# Altium PCB Board.PcbDoc (part 1 of 7) (continued)
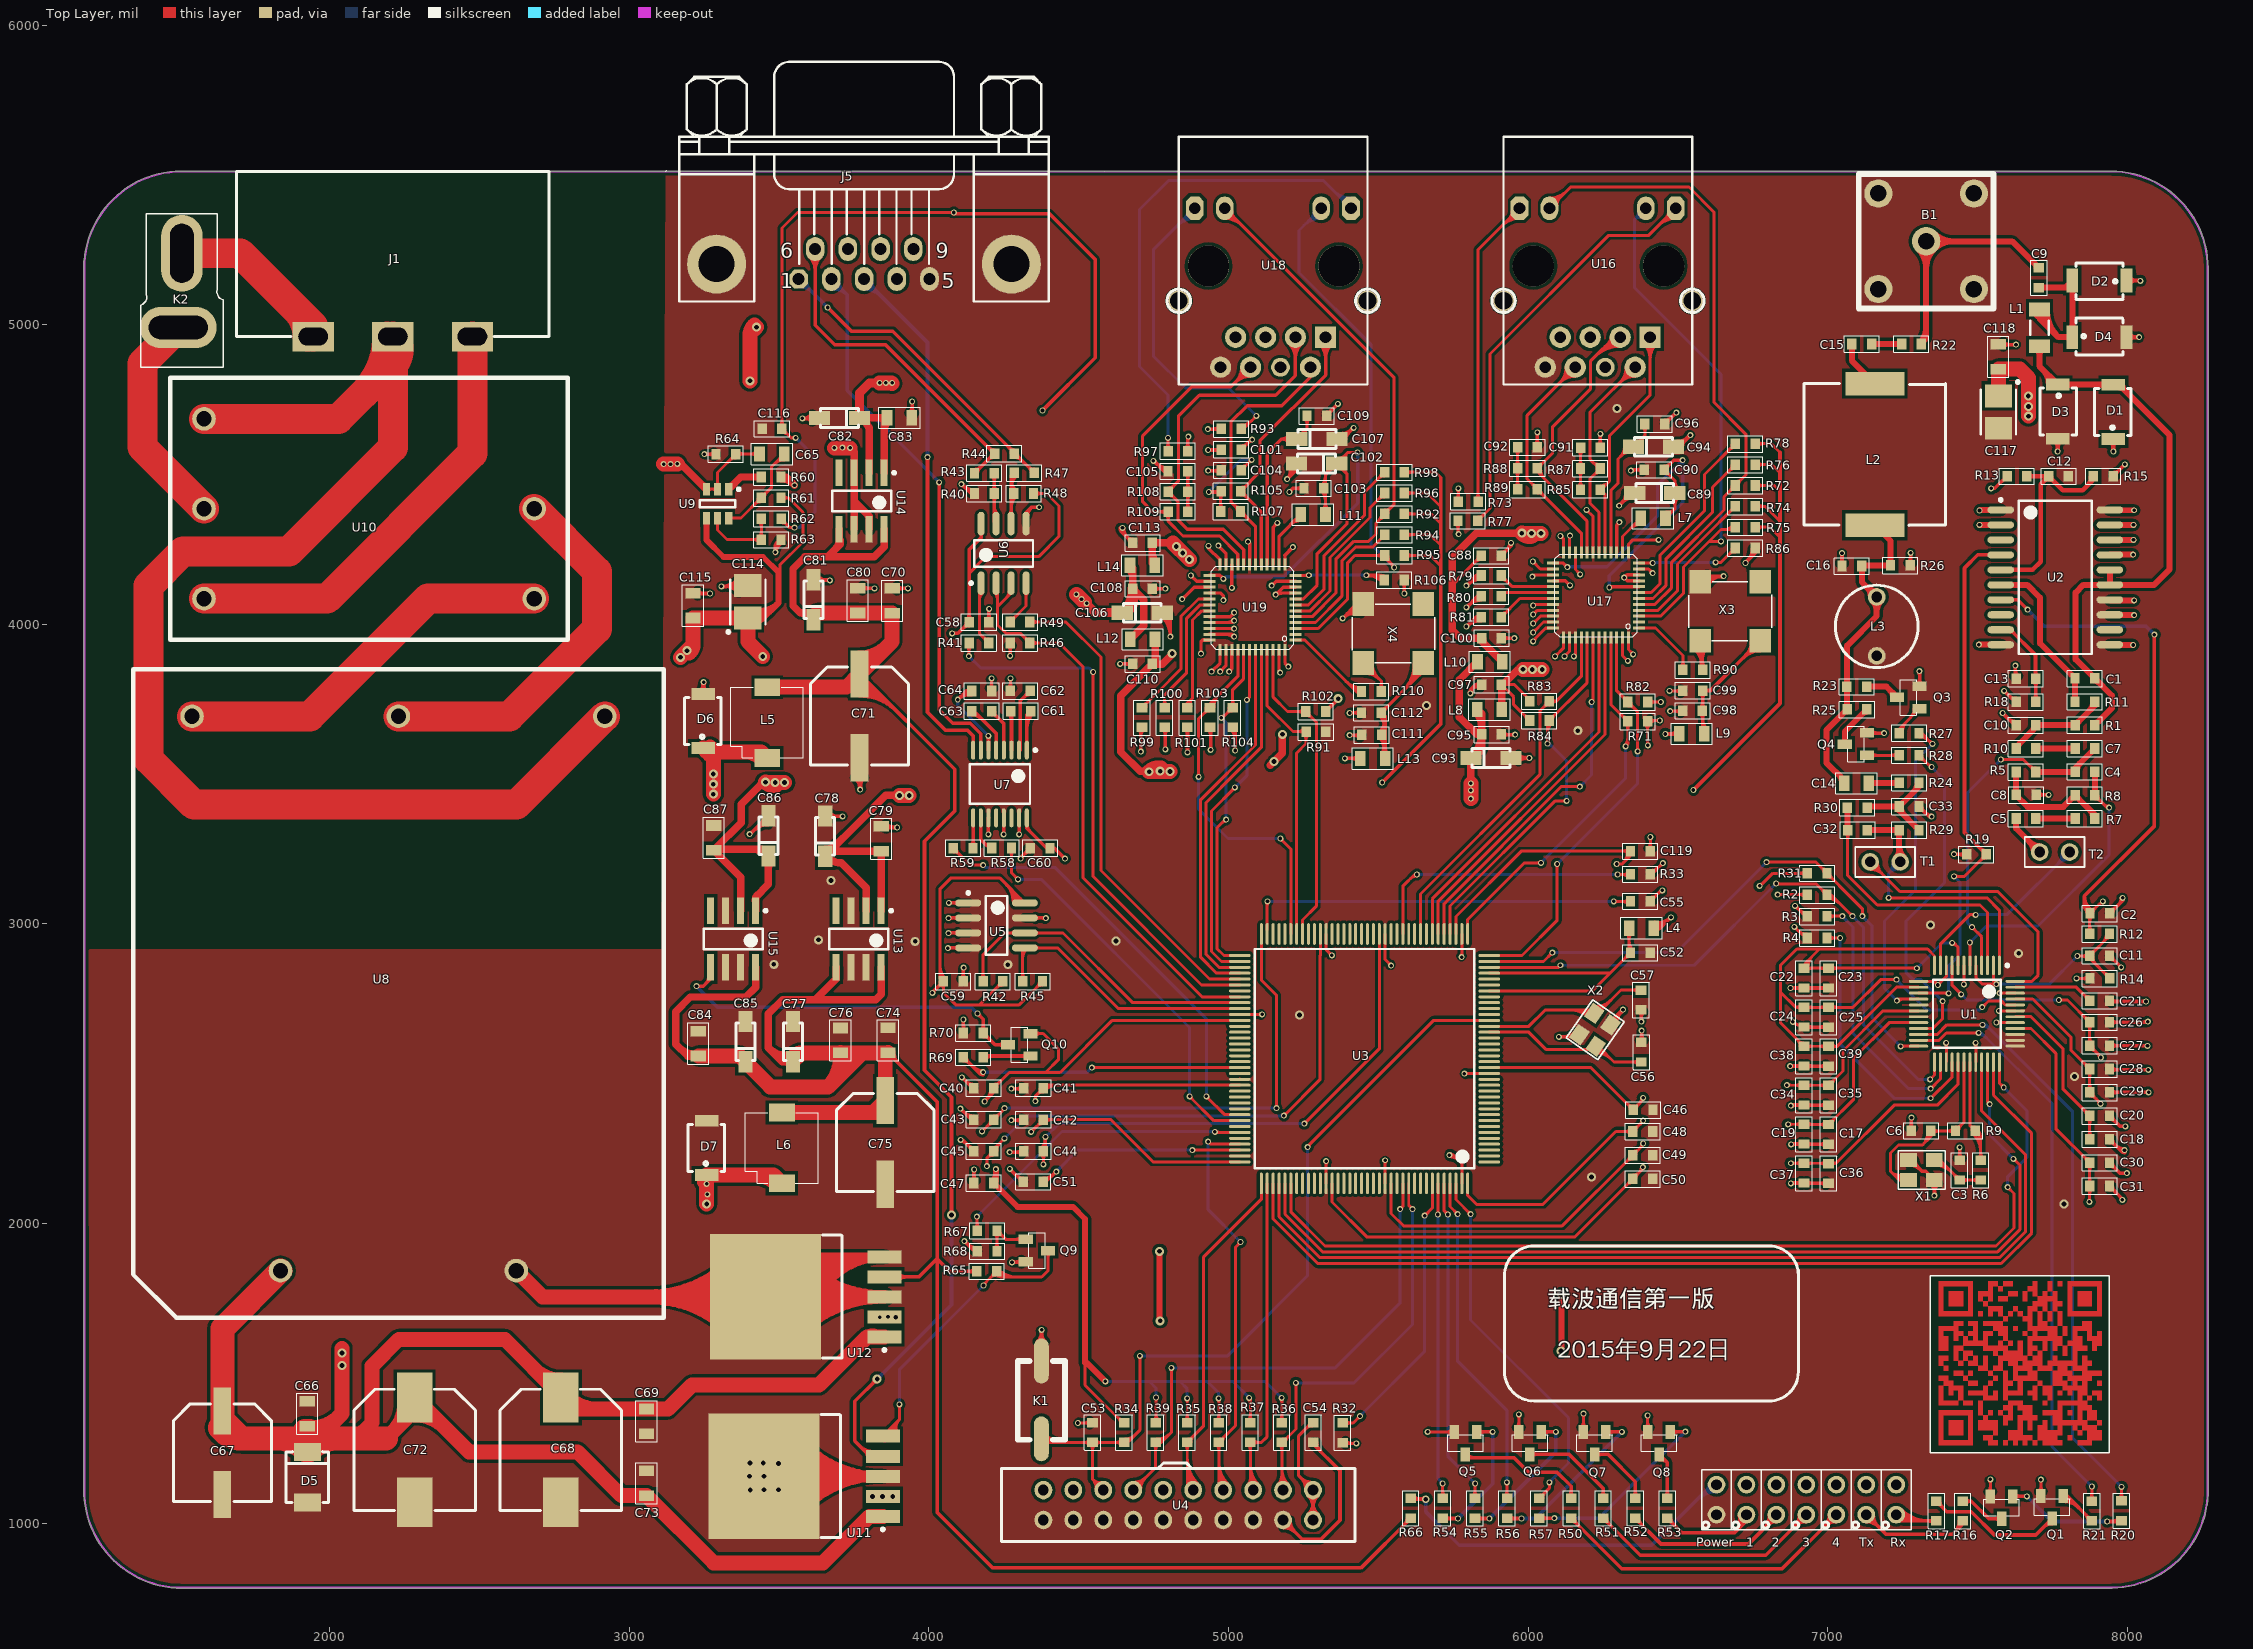
[diagram p0: Top Layer view]
## Footprints (in the part's own frame and the unit in brackets; to place one, negate y for a bottom-side part, rotate by r counter-clockwise, add the part's x,y. Pads: shape width x height; smd on the part's side, far side on the other; paste and mask are expansions set on the pad) (continued)
  round 1.8 hole 1: 2(-5.63,4.84) 3(-3.09,6.11) 5(-3.09,8.65) 6(-5.63,9.92) 7(-3.09,11.19) 8(-5.63,12.46)
  round 1.6 hole 1: 4(-5.63,7.38)
  oct 2x1.5 hole 0.991: 9(7.85,1.395) 12(7.85,14.645)
  oval 2x1.5 hole 0.991: 10(7.85,3.935) 11(7.85,12.105)
  round 1.8 hole 1.5: 13(0,16) 14(0,0)
  silkscreen extent -7.1,-1 13.9,17
"SLF6025   电感" [mm]
  rect 2.2x1.5 smd: 1(0,0) 2(0,-6)
  silkscreen extent -3.07,-6 3.09,0
SM2200 [mm]
  oval 1.65x0.25 smd: 1(-4.1,2.75) 2(-4.1,2.25) 3(-4.1,1.75) 4(-4.1,1.25) 5(-4.1,0.75) 6(-4.1,0.25) 7(-4.1,-0.25) 8(-4.1,-0.75) 9(-4.1,-1.25) 10(-4.1,-1.75) 11(-4.1,-2.25) 12(-4.1,-2.75) 25(4.1,-2.75) 26(4.1,-2.25) 27(4.1,-1.75) 28(4.1,-1.25) 29(4.1,-0.75) 30(4.1,-0.25) 31(4.1,0.25) 32(4.1,0.75) 33(4.1,1.25) 34(4.1,1.75) 35(4.1,2.25) 36(4.1,2.75)
  oval 0.25x1.65 smd: 13(-2.75,-4.1) 14(-2.25,-4.1) 15(-1.75,-4.1) 16(-1.25,-4.1) 17(-0.75,-4.1) 18(-0.25,-4.1) 19(0.25,-4.1) 20(0.75,-4.1) 21(1.25,-4.1) 22(1.75,-4.1) 23(2.25,-4.1) 24(2.75,-4.1) 37(2.75,4.1) 38(2.25,4.1) 39(1.75,4.1) 40(1.25,4.1) 41(0.75,4.1) 42(0.25,4.1) 43(-0.25,4.1) 44(-0.75,4.1) 45(-1.25,4.1) 46(-1.75,4.1) 47(-2.25,4.1) 48(-2.75,4.1)
  silkscreen extent -4.22,-2.88 2.88,3.55, body extent -3.5,-3.5 3.5,3.5, height 1.6
SMBJ20A [mm]
  rect 1.52x2.3 smd: 1(0,0) 2(4.27,0)
  silkscreen extent -0.02,-1.8 4.29,1.8
"Stm32f407ZET6 - duplicate" [mm] "TSQFP, 144-Leads, Body 22.2x22.2mm (max), Pitch 0.50mm, IPC Medium Density"
  oval 1.83x0.254 smd: 1(-10.575,8.75) 2(-10.575,8.25) 3(-10.575,7.75) 4(-10.575,7.25) 5(-10.575,6.75) 6(-10.575,6.25) 7(-10.575,5.75) 8(-10.575,5.25) 9(-10.575,4.75) 10(-10.575,4.25) 11(-10.575,3.75) 12(-10.575,3.25) 13(-10.575,2.75) 14(-10.575,2.25) 15(-10.575,1.75) 16(-10.575,1.25) 17(-10.575,0.75) 18(-10.575,0.25) 19(-10.575,-0.25) 20(-10.575,-0.75) 21(-10.575,-1.25) 22(-10.575,-1.75) 23(-10.575,-2.25) 24(-10.575,-2.75) 25(-10.575,-3.25) 26(-10.575,-3.75) 27(-10.575,-4.25) 28(-10.575,-4.75) 29(-10.575,-5.25) 30(-10.575,-5.75) 31(-10.575,-6.25) 32(-10.575,-6.75) 33(-10.575,-7.25) 34(-10.575,-7.75) 35(-10.575,-8.25) 36(-10.575,-8.75) 73(10.575,-8.75) 74(10.575,-8.25) 75(10.575,-7.75) 76(10.575,-7.25) 77(10.575,-6.75) 78(10.575,-6.25) 79(10.575,-5.75) 80(10.575,-5.25) 81(10.575,-4.75) 82(10.575,-4.25) 83(10.575,-3.75) 84(10.575,-3.25) 85(10.575,-2.75) 86(10.575,-2.25) 87(10.575,-1.75) 88(10.575,-1.25) 89(10.575,-0.75) 90(10.575,-0.25) 91(10.575,0.25) 92(10.575,0.75) 93(10.575,1.25) 94(10.575,1.75) 95(10.575,2.25) 96(10.575,2.75) 97(10.575,3.25) 98(10.575,3.75) 99(10.575,4.25) 100(10.575,4.75) 101(10.575,5.25) 102(10.575,5.75) 103(10.575,6.25) 104(10.575,6.75) 105(10.575,7.25) 106(10.575,7.75) 107(10.575,8.25) 108(10.575,8.75)
  oval 0.254x1.83 smd: 37(-8.75,-10.575) 38(-8.25,-10.575) 39(-7.75,-10.575) 40(-7.25,-10.575) 41(-6.75,-10.575) 42(-6.25,-10.575) 43(-5.75,-10.575) 44(-5.25,-10.575) 45(-4.75,-10.575) 46(-4.25,-10.575) 47(-3.75,-10.575) 48(-3.25,-10.575) 49(-2.75,-10.575) 50(-2.25,-10.575) 51(-1.75,-10.575) 52(-1.25,-10.575) 53(-0.75,-10.575) 54(-0.25,-10.575) 55(0.25,-10.575) 56(0.75,-10.575) 57(1.25,-10.575) 58(1.75,-10.575) 59(2.25,-10.575) 60(2.75,-10.575) 61(3.25,-10.575) 62(3.75,-10.575) 63(4.25,-10.575) 64(4.75,-10.575) 65(5.25,-10.575) 66(5.75,-10.575) 67(6.25,-10.575) 68(6.75,-10.575) 69(7.25,-10.575) 70(7.75,-10.575) 71(8.25,-10.575) 72(8.75,-10.575) 109(8.75,10.575) 110(8.25,10.575) 111(7.75,10.575) 112(7.25,10.575) 113(6.75,10.575) 114(6.25,10.575) 115(5.75,10.575) 116(5.25,10.575) 117(4.75,10.575) 118(4.25,10.575) 119(3.75,10.575) 120(3.25,10.575) 121(2.75,10.575) 122(2.25,10.575) 123(1.75,10.575) 124(1.25,10.575) 125(0.75,10.575) 126(0.25,10.575) 127(-0.25,10.575) 128(-0.75,10.575) 129(-1.25,10.575) 130(-1.75,10.575) 131(-2.25,10.575) 132(-2.75,10.575) 133(-3.25,10.575) 134(-3.75,10.575) 135(-4.25,10.575) 136(-4.75,10.575) 137(-5.25,10.575) 138(-5.75,10.575) 139(-6.25,10.575) 140(-6.75,10.575) 141(-7.25,10.575) 142(-7.75,10.575) 143(-8.25,10.575) 144(-8.75,10.575)
  silkscreen extent -9.3,-9.3 9.3,9.3, body extent -10,-10 10,10, height 0.16
T型接头 [mm]
  oval 6.5x3.5 hole 2 slot 5 at 0 deg: 1(0,0)
  oval 3.5x6.5 hole 2 slot 5 at 90 deg: 2(6.3,-0.3)
  silkscreen extent -3.35,-3.5 9.65,3.5
W5200-Chip [mil]
  rect 10x40 smd: 1(10,-13) 2(29.69,-13) 3(49.37,-13) 4(69.06,-13) 5(88.74,-13) 6(108.42,-13) 7(128.11,-13) 8(147.8,-13) 9(167.49,-13) 10(187.17,-13) 11(206.86,-13) 12(226.54,-13) 25(226.54,275) 26(206.86,275) 27(187.17,275) 28(167.49,275) 29(147.8,275) 30(128.11,275) 31(108.42,275) 32(88.74,275) 33(69.06,275) 34(49.37,275) 35(29.69,275) 36(10,275)
  rect 40x10 smd: 13(262.27,22.73) 14(262.27,42.42) 15(262.27,62.1) 16(262.27,81.79) 17(262.27,101.47) 18(262.27,121.16) 19(262.27,140.84) 20(262.27,160.53) 21(262.27,180.21) 22(262.27,199.9) 23(262.27,219.58) 24(262.27,239.27) 37(-21.73,239.27) 38(-21.73,219.58) 39(-21.73,199.9) 40(-21.73,180.21) 41(-21.73,160.53) 42(-21.73,140.84) 43(-21.73,121.16) 44(-21.73,101.47) 45(-21.73,81.79) 46(-21.73,62.1) 47(-21.73,42.42) 48(-21.73,22.73)
  silkscreen extent -20,-7 256,269, body extent -21,-9 258,271, height 63
三芯蛙座 [mm]
  rect 3.5x2.5 hole 1.5 slot 2.5 at 0 deg: 1(0,0) 2(6.75,0) 3(13.5,0)
  silkscreen extent -6.5,-14 20,0
外插小灯 [mm]
  round 1.5 hole 0.9: 1(0,0) 2(2.54,0)
  silkscreen extent -1.27,-1.27 3.81,1.27
工字电感0608 [mm]
  round 1.5 hole 0.9: 1(-1,0) 2(4,0)
  silkscreen extent -2,-3.5 5,3.5
有源晶振7050 [mm]
  rect 1.8x2 smd: 1(0,0) 2(5.08,0) 3(5.08,5) 4(0,5)
  silkscreen extent -0.96,0 6.04,5, body extent -0.96,0 6.04,5, height 3
贴片按键 [mil]
  oval 150x50 smd: 1(0,0) 2(260,0)
  silkscreen extent 0,-79 263,79
贴片铝电容-8*10.3 [mm]
  rect 4x1.5 smd: 1(0.6,0) 2(7.7,0)
  silkscreen extent 0,-4.15 8.31,4.15
贴片铝电容-10*10 [mm]
  rect 4.2x3 smd: 1(0.7,0) 2(9.6,0)
  silkscreen extent 0,-5.15 10.3,5.15
"跳线 100mil" [mm]
  round 1.5 hole 0.9: 1(0,0) 2(2.54,0)
  silkscreen extent -1.27,-1.27 3.81,1.27
钽电容1206（A3216） [mm]
  rect 1.8x1.2 smd: 1(3.3,0) 2(-0.1,0)
  silkscreen extent 0,-0.8 3.2,0.8

## Part data
C3 C6 C17 C18 C19 C20 C21 C22 C23 C24 C25 C26 C27 C28 C29 C30 C31 C34 C35 C36 C37 C38 C39: library part Capacito
C40 C41 C42 C43 C44 C45 C46 C47 C48 C49 C50 C52 C54 C65 C69 C70 C73 C74 C76 C79 C80 C83 C84 C87 C115 C116 C118 C119: library part Capacitor
C53 C56 C57: library part Capacitor-0
D6 D7: library part I
L4 L5 L6: library part Ind
R2 R3 R4 R6 R9 R16 R17 R20 R21 R31: library part Resisto
R32 R33: library part Resistor
R34 R35 R36 R37 R38 R39: library part Resistor-0
U3: library part STM32F407Z
U4: library part J
U11 U12 U13 U14 U15: library part L

## Via types
v1: diameter 20, hole 12, Top Layer to Bottom Layer, 399 vias
v2: diameter 30, hole 16, Top Layer to Bottom Layer, 68 vias
v3: diameter 25, hole 15, Top Layer to Bottom Layer, 1 vias

## Nets (pads, with @x,y where several pads share a name; then routed paths per layer and width w, separated by ;. In a path a pad name is that pad's centre, name@x,y a point inside that pad or via, vN(x,y) a via of type N, cw(c..) or ccw(c..) an arc to the next point about the centre after c; other vN are vias at no path point)
1.8V1: C102.2 C103.2 L11.2 U19.8 U19.25 | length 1971.1
  Top Layer w10: U19.8@5224,4084.8 5249.8,4084.8 5296,4131 5296,4236 5395,4335 5395,4502.94 ; C102.2@5372.75,4518.38 cw(c5372.75,4501.93) C102.2@5384.38,4513.56 ; C102.2@5372.75,4555.62 ccw(c5372.75,4572.07) C102.2@5384.38,4560.44 ; C102.2@5380.67,4533.6 ccw(c5397.54,4526.36) 5384.56,4513.38 ; C102.2@5380.95,4539.67 cw(c5402.26,4546.62) 5386.41,4562.47 ; C102.2@5389.86,4529.66 ccw(c5412.15,4520.09) 5395,4502.94 ; C102.2@5390.45,4542.77 cw(c5419.65,4552.29) 5397.94,4574 ; v1@5427.46,4570.46 ccw(c5418.93,4561.93) 5418.93,4574 ccw(c5418.93,4586.07) v1@5427.46,4577.54 ; v1(5431,4574) 5397.94,4574 ; 5395,4502.94 C102.2@5360.94,4537 5397.94,4574
  Top Layer w11: U19.25@4936,4163.54 4971.46,4163.54 v1(4983,4152) ; v1@4978.5,4152 ccw(c4967.64,4152) 4975.32,4159.68 ccw(c4983,4167.36) v1@4983,4156.5 ; C103.2@5310.75,4444.79 cw(c5279.55,4413.58) 5323.68,4413.58 ; C103.2@5310.75,4463.21 ccw(c5279.55,4494.42) 5323.68,4494.42 ; L11.2@5315.04,4383.51 ccw(c5294.18,4404.37) 5323.68,4404.37 ccw(c5353.17,4404.37) L11.2@5332.32,4383.51 ; L11.2@5323.68,4367 5323.68,4499.74 ; C102.2@5331.77,4531.8 cw(c5300.88,4522.54) 5323.68,4499.74 ; 5336.71,4512.77 ccw(c5320.93,4528.55) C102.2@5342.3,4534.96 ; C102.2@5338.35,4514.42 cw(c5349.13,4503.64) C102.2@5349.13,4518.88 ; C102.2@5360.94,4537 5323.68,4499.74
  Bottom Layer w11: v1(4983,4152) 4990,4159 5185,4159 5431,4405 v1(5431,4574) ; v1@5427.82,4570.82 cw(c5420.14,4563.14) 5431,4563.14 cw(c5441.86,4563.14) v1@5434.18,4570.82
1.8V2: C89.2 C90.2 L7.2 U17.8 U17.25 | length 1905.7
  Top Layer w10: C90.2@6454,4503.28 cw(c6454,4472.58) 6475.71,4494.29 ; C90.2@6454,4516 6489.94,4480.06 ; L7.2@6458.68,4354 6489.94,4385.26 ; L7.2@6458.94,4364.58 ccw(c6460.91,4384.4) L7.2@6474.99,4370.32 ; L7.2@6459.93,4374.53 ccw(c6463.59,4411.6) 6489.94,4385.26 ; C90.2@6464.75,4514.03 ccw(c6485.94,4514.03) 6470.96,4499.04 ; L7.2@6471.39,4361.87 cw(c6483.08,4361.87) L7.2@6474.82,4370.14 ; C89.2@6476.77,4425.83 cw(c6444.98,4394.04) 6489.94,4394.04 cw(c6534.89,4394.04) C89.2@6503.1,4425.83 ; C89.2@6477.67,4453.01 ccw(c6453.98,4480.06) 6489.94,4480.06 ; C89.2@6502.21,4453.01 cw(c6525.89,4480.06) 6489.94,4480.06 ; 6489.94,4385.26 C89.2@6489.94,4439 6489.94,4480.06
  Top Layer w11: U17.25@6083,4204.54 6117.46,4204.54 v1(6131,4191) ; v1@6126.5,4191 ccw(c6115.64,4191) 6123.32,4198.68 ccw(c6131,4206.36) v1@6131,4195.5 ; v1(6271,4123) 6273.8,4125.8 U17.8@6371,4125.8 ; v1@6274.18,4119.82 cw(c6288.63,4105.37) 6288.63,4125.8
  Top Layer w12: C90.2@6454,4516 6486,4548 v1(6516,4548) ; C90.2@6454,4527.72 ccw(c6454,4556) 6474,4536 ; C90.2@6463.75,4517.97 cw(c6482.53,4517.97) C90.2@6469.25,4531.25
  Bottom Layer w11: v1(6131,4191) 6132.5,4192.5 6263.5,4192.5 6432,4361 6432,4464 v1(6516,4548) 6516,4407 6271,4162 v1(6271,4123) ; v1@6134.18,4187.82 cw(c6145.49,4176.51) 6145.49,4192.5 ; v1@6267.82,4126.18 ccw(c6260.14,4133.86) 6271,4133.86 ccw(c6281.86,4133.86) v1@6274.18,4126.18 ; v1@6511.5,4548 cw(c6500.64,4548) 6508.32,4540.32 cw(c6516,4532.64) v1@6516,4543.5 ; v1@6512.82,4544.82 cw(c6505.14,4537.14) 6516,4537.14 cw(c6526.86,4537.14) v1@6519.18,4544.82
1M0: R92.2 U18.11 U19.5 | length 2002.9
  Top Layer w10: U18.11@4987.43,5354.8 cw(c4987.43,5271.83) 5046.1,5330.5 ; U18.11@4987.43,5364.8 cw(c4987.43,5305.97) 5029.03,5347.57 ; U18.11@4987.43,5389.17 5553,4823.6 5553,4401 R92.2@5521,4369 ; U18.11@5011.95,5379.33 ccw(c5047.41,5379.33) 5022.34,5354.26 ; U19.5@5224,4025.74 5279.74,4025.74 5358.37,4104.37 5358.37,4217.54 5418.2,4277.37 5467.37,4277.37 5492,4302 5492,4338 R92.2@5513,4359 ; 5502.63,4348.63 ccw(c5484.23,4367.03) R92.2@5510.25,4367.03 ; 5502.71,4348.71 cw(c5521,4330.41) R92.2@5521,4356.28 ; R92.2@5521,4381.72 ccw(c5521,4412.42) 5542.71,4390.71 ; R92.2@5531.75,4370.97 cw(c5552.94,4370.97) 5537.96,4385.96
1M1: R94.2 U19.4 | length 474.2
  Top Layer w10: U19.4@5224,4006.06 5290.06,4006.06 5378.06,4094.06 5378.06,4211.77 5423.97,4257.69 5480.69,4257.69 R94.2@5512,4289
1M2: R95.2 U18.10 U19.3 | length 2117.2
  Top Layer w10: U19.3@5224,3986.37 5299.37,3986.37 5397.74,4084.74 5397.74,4206 5421.74,4230 5516,4230 v1@5550,4196 ; R95.2@5513.4,4222.4 ccw(c5495.05,4204.05) 5495.05,4230 ccw(c5495.05,4255.95) R95.2@5513.4,4237.6 ; R95.2@5521,4217.28 cw(c5521,4198.65) 5534.17,4211.83 ; R95.2@5531.75,4228.03 ccw(c5565.01,4228.03) 5541.49,4204.51 ; 5542.34,4203.66 cw(c5528.69,4190) v1@5548,4190
  Bottom Layer w10: 5250.4,5330.5 cw(c5309.08,5271.83) U18.10@5309.08,5354.8 ; 5267.48,5347.57 cw(c5309.08,5305.97) U18.10@5309.08,5364.8 ; 5274.17,5354.26 ccw(c5249.1,5379.33) U18.10@5284.55,5379.33 ; U18.10@5309.08,5389.17 5235,5315.1 5235,5175 5475,4935 5475,4268 5545,4198 ; v1@5548,4190 ccw(c5535.93,4190) 5544.46,4198.54 ccw(c5553,4207.07) v1@5553,4195
  other v1: 5553,4190
1M3: R96.2 U19.6 | length 585.5
  Top Layer w10: U19.6@5224,4045.42 5272.88,4045.42 5338.69,4111.24 5338.69,4223.32 5472,4356.62 5472,4389.5 R96.2@5521,4438.5 ; 5499.29,4416.79 cw(c5521,4395.08) R96.2@5521,4425.78 ; 5504.04,4421.54 ccw(c5489.06,4436.53) R96.2@5510.25,4436.53
2M0: R72.2 U16.11 U17.5 | length 2366
  Top Layer w10: U16.11@6071.43,5389.17 6142.25,5460 6537,5460 6620,5377 6620,4742 6727,4635 6727,4498.8 R72.2@6692,4463.8 6654,4425.8 6654,4381.72 6479.37,4207.09 6479.37,4122.37 6423.74,4066.74 U17.5@6371,4066.74 ; U16.11@6071.43,5413.54 ccw(c6071.43,5472.38) 6113.03,5430.78 ; U16.11@6071.43,5423.54 ccw(c6071.43,5506.52) 6130.1,5447.85 ; U16.11@6095.95,5399.02 cw(c6131.41,5399.02) 6106.34,5424.08 ; 6670.29,4442.09 cw(c6692,4420.38) R72.2@6692,4451.08 ; 6675.04,4446.84 ccw(c6660.06,4461.83) R72.2@6681.25,4461.83 ; R72.2@6692,4476.52 ccw(c6692,4507.22) 6713.71,4485.51 ; R72.2@6702.75,4465.77 cw(c6723.94,4465.77) 6708.96,4480.76
2M1: R74.2 U17.4 | length 517.1
  Top Layer w10: U17.4@6371,4047.06 6434.06,4047.06 6499.06,4112.06 6499.06,4201.32 6582.42,4284.69 6582.48,4284.69 R74.2@6692,4394.2
2M2: R75.2 U16.10 U17.3 | length 1934.8
  Top Layer w10: U17.3@6371,4027.37 6442.37,4027.37 6518.74,4103.74 6518.74,4191.74 6604,4277 ; v1@6640.46,4273.46 ccw(c6631.93,4264.93) 6631.93,4277 ccw(c6631.93,4289.07) v1@6640.46,4280.54 ; v1(6644,4277) 6604,4277 ; 6652.46,4317 ccw(c6652.46,4362.18) R75.2@6684.4,4330.23 ; R75.2@6676.6,4317 ccw(c6676.6,4338.03) R75.2@6691.47,4323.16 ; R75.2@6678,4317 6644,4317 6604,4277
  Bottom Layer w10: 6358.17,5354.26 ccw(c6333.1,5379.33) U16.10@6368.55,5379.33 ; 6366.21,5362.31 cw(c6379.38,5349.14) U16.10@6387.08,5366.1 ; U16.10@6382.95,5356.99 ccw(c6373.01,5335.09) 6356,5352.1 ; U16.10@6393.08,5389.17 6356,5352.1 ; v1@6640.46,4280.54 ccw(c6631.93,4289.07) 6644,4289.07 ccw(c6656.07,4289.07) v1@6647.54,4280.54 ; v1(6644,4277) 6644,4835 6356,5123 6356,5352.1
2M3: R76.2 U17.6 | length 647.6
  Top Layer w10: U17.6@6371,4086.42 6416.88,4086.42 6459.69,4129.24 6459.69,4217.69 6616,4374 6616,4457.4 R76.2@6692,4533.4 ; 6670.29,4511.69 cw(c6692,4489.98) R76.2@6692,4520.68 ; 6675.04,4516.44 ccw(c6660.06,4531.43) R76.2@6681.25,4531.43
3V3A1: C101.1 C113.1 L14.2 R93.2 R97.2 U18.4 U18.5 U19.11 U19.15 U19.23 | length 894.4
  Top Layer w11: v1(4966,4263) 4991.42,4237.58 U19.23@4991.42,4199.27 ; v1(5144,4129) 5158.86,4143.86 U19.11@5224,4143.86 ; v1@5144,4133.5 ccw(c5144,4144.36) 5151.68,4136.68 ccw(c5159.36,4129) v1@5148.5,4129 ; U19.15@5148.9,4199.27 5148.9,4324.9 v1(5163,4339) ; v1@5158.5,4339 cw(c5147.64,4339) 5155.32,4331.32 cw(c5163,4323.64) v1@5163,4334.5
  Top Layer w12: R97.2@4857.26,4586.86 ccw(c4840.62,4603.5) 4864.15,4603.5 ccw(c4887.68,4603.5) R97.2@4871.04,4586.86 ; R97.2@4864.15,4578 4864.15,4625.15 v1(4866,4627) ; 4864.15,4612.88 cw(c4880.12,4612.88) v1@4868.83,4624.17 ; v1(4931,4652) 4974.94,4652 R93.2@4975.85,4652.91 ; v1(4932,4582) 4974.74,4582 C101.1@4976,4583.26 ; 4950.12,4652 ccw(c4950.12,4678.65) R93.2@4968.96,4659.8 ; 4950.77,4582 cw(c4950.77,4556.06) C101.1@4969.11,4574.4 ; 4954.17,4582 ccw(c4954.17,4603.13) C101.1@4969.11,4588.19 ; 4954.52,4652 cw(c4954.52,4631.58) R93.2@4968.96,4646.02
  Top Layer w25: 4746,4236 ccw(c4784.81,4236) L14.2@4757.37,4208.56 ; L14.2@4753.68,4197 4746,4204.68 C113.1@4746,4272 4814,4272 ; 4790.72,4272 cw(c4790.72,4224.99) v2@4823.96,4258.23
  Top Layer w50: 4814,4272 v2(4869,4217)
  other v2: 4847,4238.72 4825.72,4260
3V3A2: C88.1 C100.1 L10.2 R73.2 R77.2 U16.4 U16.5 U17.11 U17.15 U17.23 | length 1534.4
  Top Layer w10: R77.2@5758.4,4336.43 cw(c5740.05,4318.08) 5766,4318.08 cw(c5791.95,4318.08) R77.2@5773.6,4336.43 ; R73.2@5759.4,4419.57 ccw(c5741.05,4437.92) 5767,4437.92 ccw(c5792.95,4437.92) R73.2@5774.6,4419.57 ; v1@5763.46,4450.46 cw(c5754.93,4441.93) 5767,4441.93 cw(c5779.07,4441.93) v1@5770.54,4450.46 ; 5766,4317.9 ccw(c5784.9,4317.9) v1@5771.54,4304.54 ; R77.2@5766,4346 5766,4303 v1(5768,4301) ; R73.2@5767,4410 v1(5767,4454) ; U17.23@6138.42,4240.27 6138.42,4294.42 v1(6140,4296)
  Top Layer w11: U17.15@6295.9,4240.27 6295.9,4331.9 v1(6305,4341) ; v1@6300.5,4341 cw(c6289.64,4341) 6297.32,4333.32 cw(c6305,4325.64) v1@6305,4336.5 ; U17.11@6371,4184.86 6402.14,4184.86 v1(6416,4171) ; v1@6411.5,4171 ccw(c6400.64,4171) 6408.32,4178.68 ccw(c6416,4186.36) v1@6416,4175.5
  Top Layer w12: 5747,4135 5750,4135 C88.1@5844,4229 ; 5824,4209 cw(c5844,4189) C88.1@5844,4217.28 ; C88.1@5828.75,4213.75 ccw(c5815.47,4227.03) C88.1@5834.25,4227.03
  Top Layer w25: C100.1@5848.4,3952.03 ccw(c5876.77,3952.03) 5856.71,3931.97 ; 5891.33,3897.35 ccw(c5913.68,3919.69) L10.2@5913.68,3888.09 ; L10.2@5913.68,3875 5845.15,3943.53 C100.1@5845.15,3954 5774,3954 5747,3981 5747,4135 5747,4224 5827.5,4304.5 v2(5979,4304.5)
  Top Layer w50: v2@6013.25,4294.2 cw(c6005.7,4331.2) v2(5979,4304.5) v2@5979.5,4304 ; v2@6013.5,4294.26 cw(c6005.29,4329.78) v2@5979.5,4304 ; v2(6043,4304) v2@5979.5,4304
  other v2: 6011.25,4304
3V3D1: C110.1 L12.2 L13.1 R92.1 R94.1 R95.1 R96.1 R98.1 R99.1 R100.1 R101.1 R102.1 R103.1 R104.1 U19.27 U19.47 | length 3823.3
  Top Layer w10: R95.1@5587,4230 5673,4230 5709,4194 ; R94.1@5587,4299.5 5672.5,4299.5 5709,4263 ; R92.1@5587,4369 5675,4369 5709,4335 ; R96.1@5587,4438.5 5662.5,4438.5 5709,4392 ; R98.1@5587,4508 5691,4508 5709,4490 ; R95.1@5594.6,4222.4 cw(c5612.95,4204.05) 5612.95,4230 cw(c5612.95,4255.95) R95.1@5594.6,4237.6 ; R94.1@5594.6,4291.9 cw(c5612.95,4273.55) 5612.95,4299.5 cw(c5612.95,4325.45) R94.1@5594.6,4307.1 ; R92.1@5594.6,4361.4 cw(c5612.95,4343.05) 5612.95,4369 cw(c5612.95,4394.95) R92.1@5594.6,4376.6 ; R96.1@5594.6,4430.9 cw(c5612.95,4412.55) 5612.95,4438.5 cw(c5612.95,4464.45) R96.1@5594.6,4446.1 ; R98.1@5594.6,4500.4 cw(c5612.95,4482.05) 5612.95,4508 cw(c5612.95,4533.95) R98.1@5594.6,4515.6
  Top Layer w11: v1(4845,4084) 4885.17,4124.17 U19.27@4936,4124.17 ; v1@4845,4088.5 ccw(c4845,4099.36) 4852.68,4091.68 ccw(c4860.36,4084) v1@4849.5,4084 ; U19.47@5168.58,3915.27 5168.58,3842.42 v1(5172,3839)
  Top Layer w12: R99.1@4702.14,3649.11 cw(c4690.4,3637.37) 4707,3637.37 ; v1(4707,3575) 4707,3652 R99.1@4711,3656 ; 4707,3627.56 cw(c4737.47,3627.56) R99.1@4715.92,3649.11 ; R100.1@4781.83,3649.11 cw(c4764.51,3631.79) 4789,3631.79 ; R100.1@4786.75,3656 4789,3653.75 v1(4789,3583) ; 4789,3633.15 cw(c4811.57,3633.15) R100.1@4795.61,3649.11 ; R101.1@4855.61,3649.11 cw(c4837.76,3631.26) 4863,3631.26 ; R101.1@4862.5,3656 4863,3655.5 v1(4863,3573) ; 4863,3633.67 cw(c4884.83,3633.67) R101.1@4869.39,3649.11 ; R103.1@4933.33,3649.11 cw(c4917.21,3632.99) 4940,3632.99 ; R103.1@4938.25,3656 4940,3654.25 v1(4940,3581) ; 4940,3631.94 cw(c4964.28,3631.94) R103.1@4947.11,3649.11 ; R104.1@5009.08,3649.11 cw(c4977.87,3617.9) 5022,3617.9 ; R104.1@5014,3656 5022,3648 v1(5022,3579) ; R102.1@5324,3709 5366,3751 v2(5366,3752) ; v1(5388,3553) 5439,3553 L13.1@5440,3552 ; 5409.3,3553 cw(c5409.3,3521.3) L13.1@5431.72,3543.72 ; 5414.13,3553 ccw(c5414.13,3577.87) L13.1@5431.72,3560.28 ; v1(5513,3472) 5709,3668 5709,4194 5709,4263 5709,4335 5709,4392 5709,4490
  Top Layer w25: v2@4735,3509 4705,3509 4640,3574 4640,3762 C110.1@4746,3868 ; L12.2@4754.68,3950 4754.68,3876.68 C110.1@4746,3868 ; v2@4813.12,3902 4778.12,3867 4747,3867 C110.1@4746,3868 ; 5140,3530 5180,3570 v2(5180,3633)
  Top Layer w50: v2@4773.96,3519.81 ccw(c4765.52,3477.49) v2(4735,3508) v2@4736,3509 ; v2@4774.39,3519.71 ccw(c4764.69,3480.31) v2@4736,3509 ; v2(4805,3509) v2@4736,3509
  other v2: 4772,3510 5152,3542 4812,3903
3V3D2: C97.1 L8.2 L9.1 R72.1 R74.1 R75.1 R76.1 R78.1 R79.1 R80.1 R81.1 R82.1 R83.1 R84.1 U17.27 U17.47 | length 3384.4
  Top Layer w10: C97.1@5911,3799 5912.68,3797.32 5952,3758 5952,3732 R84.1@6005,3679 ; C97.1@5916,3799 5954,3799 R83.1@6005,3748 ; 5983.29,3700.71 ccw(c6005,3722.42) R84.1@6005,3691.72 ; 5988.04,3695.96 cw(c5973.06,3680.97) R84.1@5994.25,3680.97 ; v1(6014,4159) 6020.17,4165.17 U17.27@6083,4165.17 ; U17.47@6315.58,3956.27 6315.58,3895.42 v1(6333,3878) ; R82.1@6399,3741 v1(6443,3741) ; R82.1@6406.6,3733.4 cw(c6424.95,3715.05) 6424.95,3741 cw(c6424.95,3766.95) R82.1@6406.6,3748.6 ; v1@6439.46,3737.46 ccw(c6430.93,3728.93) 6430.93,3741 ccw(c6430.93,3753.07) v1@6439.46,3744.54 ; R75.1@6758,4324.6 6807.4,4324.6 6841,4291 ; R74.1@6758,4394.2 6790.8,4394.2 6841,4344 ; R72.1@6758,4463.8 6822.2,4463.8 6841,4445 ; R76.1@6758,4533.4 6813.6,4533.4 6841,4506 ; R78.1@6758,4603 6812,4603 6841,4574 ; R75.1@6765.6,4317 cw(c6783.95,4298.65) 6783.95,4324.6 cw(c6783.95,4350.55) R75.1@6765.6,4332.2 ; R74.1@6765.6,4386.6 cw(c6783.95,4368.25) 6783.95,4394.2 cw(c6783.95,4420.15) R74.1@6765.6,4401.8 ; R72.1@6765.6,4456.2 cw(c6783.95,4437.85) 6783.95,4463.8 cw(c6783.95,4489.75) R72.1@6765.6,4471.4 ; R76.1@6765.6,4525.8 cw(c6783.95,4507.45) 6783.95,4533.4 cw(c6783.95,4559.35) R76.1@6765.6,4541 ; R78.1@6765.6,4595.4 cw(c6783.95,4577.05) 6783.95,4603 cw(c6783.95,4628.95) R78.1@6765.6,4610.6
  Top Layer w12: v1(5794,4057) 5830.5,4093.5 R80.1@5844,4093.5 ; v1(5794,4129) 5828,4163 ; v1@5796.68,4131.68 cw(c5844,4084.37) R79.1@5844,4151.28 ; v1@5797.86,4055.96 cw(c5815.58,4051.22) 5806.41,4067.1 ; v1@5797.86,4127.96 cw(c5810.43,4124.6) 5803.93,4135.87 ; v1@5800.95,4063.95 cw(c5844,4020.91) R80.1@5844,4081.78 ; 5813.3,4012.3 cw(c5842.32,3983.27) R81.1@5844.1,4024.28 ; 5817.17,4152.17 cw(c5844,4125.34) R79.1@5844,4163.28 ; 5821.44,4084.44 cw(c5844,4061.88) R80.1@5844,4093.78 ; R79.1@5835.34,4158.53 ccw(c5828,4154.74) 5828,4163 ; R79.1@5835.34,4167.47 cw(c5828,4171.26) 5828,4163 ; R81.1@5836.08,4018.31 ccw(c5825,4010.36) 5825,4024 ; R81.1@5836.08,4029.69 cw(c5825,4037.64) 5825,4024 ; R81.1@5843.58,4012.29 ccw(c5840.72,3946.28) v1(5794,3993) 5825,4024 ; R81.1@5844,4024 5825,4024 ; R79.1@5844,4163 5828,4163 ; v1(6458,3634) 6504,3634 L9.1@6505,3635 ; 6474.3,3634 ccw(c6474.3,3665.7) L9.1@6496.72,3643.28 ; 6479.13,3634 cw(c6479.13,3609.13) L9.1@6496.72,3626.72 ; v1(6552,3447) 6841,3736 6841,4291 6841,4344 6841,4445 6841,4506 6841,4574
  Top Layer w25: C97.1@5911,3799 5916,3799 5965,3848 6031,3848 ; L8.2@5912.68,3716 C97.1@5912.68,3797.32
  Top Layer w50: v2(5983,3850) 5984,3849 v2(6047,3849)
  other v2: 6014,3849
ADC_IN: C32.2 R29.1 T1.1 U1.1 | length 1158.7
  Top Layer w10: v1(7204,3087) 7532,3087 7573.27,3045.73 U1.1@7573.27,2861.42 ; v1@7207.54,3083.46 cw(c7216.07,3074.93) 7216.07,3087 cw(c7216.07,3099.07) v1@7207.54,3090.54
  Top Layer w20: C32.2@7133,3313 R29.1@7239,3313 7239,3210 T1.1@7242,3207 ; T1.1@7228.19,3220.81 ccw(c7202.1,3246.9) 7239,3246.9 ; 7239,3261.39 ccw(c7296.39,3261.39) T1.1@7255.81,3220.81
  Bottom Layer w10: v1@7200.46,3090.54 ccw(c7191.93,3099.07) 7204,3099.07 ccw(c7216.07,3099.07) v1@7207.54,3090.54 ; v1(7204,3087) 7204,3169 ; T1.1@7217.53,3205.26 cw(c7171.05,3201.96) 7204,3169 ; T1.1@7227.51,3205.97 cw(c7199.98,3204.01) 7219.49,3184.49 cw(c7239.01,3164.98) T1.1@7240.97,3192.51 ; T1.1@7240.26,3182.53 ccw(c7236.96,3136.05) 7204,3169 ; T1.1@7242,3207 7204,3169
AFE_VCC: C65.2 C117.2 C118.2 D1.2 D2.2 R13.2 R64.2 U2.2 U2.17 U2.18 U2.19 U9.2 U9.3 | length 6088.8
  Top Layer w10: U9.3@3256.6,4451.23 U9.2@3294,4451.23 3294,4507 R64.2@3355,4568 3356,4569 C65.2@3434.32,4569 ; U9.3@3261.41,4446.41 cw(c3273.04,4434.79) 3273.04,4451.23 cw(c3273.04,4467.67) U9.3@3261.41,4456.04 ; U9.2@3289.18,4446.41 ccw(c3277.56,4434.79) 3277.56,4451.23 ccw(c3277.56,4467.67) U9.2@3289.18,4456.04 ; U9.2@3289.18,4464.9 ccw(c3277.56,4476.53) 3294,4476.53 ccw(c3310.44,4476.53) U9.2@3298.82,4464.9 ; 3333.29,4546.29 cw(c3355,4524.58) R64.2@3355,4555.28 ; 3338.04,4551.04 ccw(c3323.06,4566.03) R64.2@3344.25,4566.03 ; R64.2@3362.6,4562.37 cw(c3378.61,4546.36) 3378.61,4569 ; R64.2@3362.6,4577.57 ccw(c3383.29,4598.25) 3383.29,4569 ; C65.2@3425.33,4560.01 ccw(c3403.62,4538.3) 3403.62,4569 ccw(c3403.62,4599.7) C65.2@3425.33,4577.99
  Top Layer w12: v1(7546,4454) 7558,4454 R13.2@7599,4495 ; D1.2@7944.32,4609.22 cw(c7920.96,4585.86) 7954,4585.86 cw(c7987.04,4585.86) D1.2@7963.68,4609.22 ; v1@7950.54,4579 ccw(c7935.39,4587.74) 7952.28,4592.27 ; v1(7954,4577) D1.2@7954,4618.9 ; 7955.72,4592.27 ccw(c7972.61,4587.74) v1@7957.46,4579 ; D2.2@7998.1,5148 8043,5148 v1(8044,5147) ; D2.2@8007.78,5138.32 cw(c8031.14,5114.96) 8031.14,5148 cw(c8031.14,5181.04) D2.2@8007.78,5157.68 ; 8031.93,5148 cw(c8031.93,5134.93) v1@8041.17,5144.17
  Top Layer w20: v1(7507,4332) U2.2@7578,4332 ; U2.17@7942.17,4232 7943.17,4233 v1(8020,4233) ; U2.18@7942.17,4282 v1(8021,4282) ; U2.19@7942.17,4332 v1(8021,4332)
  Top Layer w25: v1@3160,4538.5 cw(c3160,4515.98) 3175.92,4531.9 ; 3172.83,4535 U9.3@3256.6,4451.23 ; 3242.65,4465.17 ccw(c3256.6,4479.12) U9.3@3256.6,4459.4
  Top Layer w50: v1(3114,4535) 3115,4536 v1(3160,4536) ; C117.2@7570,4763 C118.2@7570,4852.32 7641.68,4852.32 7671,4823 v2(7671,4727) v2(7671,4695)
  VCC w25: 3097.78,4539.22 ccw(c3114,4555.44) v1@3114,4532.5 ; 3101,4536 3012,4625 3012,4779 3107,4874 4800,4874 5218,5292 6795,5292 6860,5227 6903,5227
  VCC w50: 3101,4536 v1(3160,4536)
  other v1: 3137,4535
  other v2: 7670,4762
AGC_0: R28.2 U1.21 | length 1245.5
  Top Layer w10: U1.21@7303.58,2650.79 7350.79,2650.79 7384,2684 v1(7384,2742) ; R28.2@7305,3550.28 cw(c7305,3519.58) 7326.71,3541.29 ; R28.2@7305,3563 7344,3524 v1(7347,3524) ; R28.2@7315.75,3561.03 ccw(c7336.94,3561.03) 7321.96,3546.04 ; 7333.34,3534.66 ccw(c7347,3548.31) v1@7347,3529 ; v1@7380.46,2738.46 cw(c7371.93,2729.93) 7384,2729.93 cw(c7396.07,2729.93) v1@7387.54,2738.46
  Bottom Layer w10: v1@7347,3519 cw(c7347,3506.93) 7355.54,3515.46 cw(c7364.07,3524) v1@7352,3524 ; v1@7348.47,3525.47 v1(7347,3524) 7391,3480 7391,3138 7261,3008 7261,2839 7286,2814 7312,2814 v1(7384,2742) ; v1@7379,2742 ccw(c7366.93,2742) 7375.46,2750.54 ccw(c7384,2759.07) v1@7384,2747
AGC_1: R27.2 U1.16 | length 1245.9
  Top Layer w10: v1(7231,2744) 7236.21,2749.21 U1.16@7303.58,2749.21 ; v1@7234.54,2740.46 cw(c7255.66,2719.34) 7255.66,2749.21 ; R27.2@7305,3624.28 cw(c7305,3571.86) 7342.07,3608.93 ; R27.2@7305,3634.28 cw(c7305,3606) 7325,3626 ; R27.2@7305,3637 7314,3637 v1(7350,3601) ; 7334.93,3613.05 cw(c7323.94,3594.02) v1@7345.17,3599.71 ; 7340.62,3609.76 cw(c7336.2,3602.11) v1@7345.02,3601.4 ; v1@7345,3601 ccw(c7332.93,3601) 7341.46,3609.54 ccw(c7350,3618.07) v1@7350,3606
  Bottom Layer w10: v1@7226,2744 ccw(c7213.93,2744) 7222.46,2752.54 ccw(c7231,2761.07) v1@7231,2749 ; v1(7231,2744) 7190,2785 7190,3010 7293,3113 7293,3544 v1(7350,3601) ; v1@7345,3601 cw(c7332.93,3601) 7341.46,3592.46 cw(c7350,3583.93) v1@7350,3596
ANE1: R99.2 U19.29 | length 518.7
  Top Layer w10: R99.2@4711,3722 4760,3771 4761,3771 4840.62,3850.62 4840.62,4025.95 4899.47,4084.8 U19.29@4936,4084.8 ; R99.2@4712.97,3732.75 ccw(c4712.97,3753.94) 4727.96,3738.96 ; R99.2@4723.72,3722 cw(c4754.42,3722) 4732.71,3743.71
ANE2: R79.2 U17.29 | length 229.2
  Top Layer w10: R79.2@5910,4150.28 cw(c5910,4119.58) 5931.71,4141.29 ; R79.2@5910,4163 5947.2,4125.8 U17.29@6083,4125.8 ; R79.2@5920.75,4161.03 ccw(c5941.94,4161.03) 5926.96,4146.04
BASE: C11.2 R12.1 R14.2 U1.2 U1.5 | length 1031
  Top Layer w10: U1.5@7494.53,2861.42 7494.53,2821.47 7517,2799 v1(7563,2799) 7553.58,2808.42 U1.2@7553.58,2861.42 ; v1@7558,2799 ccw(c7545.93,2799) 7554.46,2807.54 ccw(c7563,2816.07) v1@7563,2804 ; v1@7559.46,2795.46 ccw(c7550.93,2786.93) 7550.93,2799 ccw(c7550.93,2811.07) v1@7559.46,2802.54 ; v1(7834,2893) 7874,2893 C11.2@7875,2894 ; v1@7837.54,2889.46 cw(c7846.07,2880.93) 7846.07,2893 cw(c7846.07,2905.07) v1@7837.54,2896.54 ; 7846.71,2893 cw(c7846.71,2863.75) C11.2@7867.4,2884.43 ; 7851.39,2893 ccw(c7851.39,2915.64) C11.2@7867.4,2899.63 ; C11.2@7875,2906.72 ccw(c7875,2937.42) 7896.71,2915.71 ; C11.2@7885.75,2892.03 ccw(c7928.67,2892.03) 7898.32,2861.68 ; C11.2@7885.75,2895.97 cw(c7906.94,2895.97) 7891.96,2910.96 ; 7919.09,2938.09 ccw(c7892.16,2965.03) R12.1@7930.25,2965.03 ; 7920.29,2839.71 ccw(c7942,2861.42) R14.2@7942,2830.72 ; 7925.04,2834.96 cw(c7910.06,2819.97) R14.2@7931.25,2819.97 ; R12.1@7931.24,2950.24 cw(c7941,2940.48) R12.1@7941,2954.28 ; R12.1@7941,2967 7941,2960 C11.2@7875,2894 ; R14.2@7942,2818 7875,2885 C11.2@7875,2894
  Bottom Layer w10: v1(7563,2799) 7740,2799 v1(7834,2893) ; v1@7566.54,2795.46 cw(c7575.07,2786.93) 7575.07,2799 cw(c7575.07,2811.07) v1@7566.54,2802.54 ; v1@7829,2893 cw(c7816.93,2893) 7825.46,2884.46 cw(c7834,2875.93) v1@7834,2888